# Altium PCB LED fix910 RD 2000278 (4F00223A_7P00493A).PcbDoc (part 1 of 3)
Units mm, origin at the board's own origin, x right, y up, seen from the top; angles counter-clockwise.
Board outline 400 x 514 mm, 2 copper layers (Top Layer, Bottom Layer); 391 components, 180 nets, 1316 pads, 0 vias.
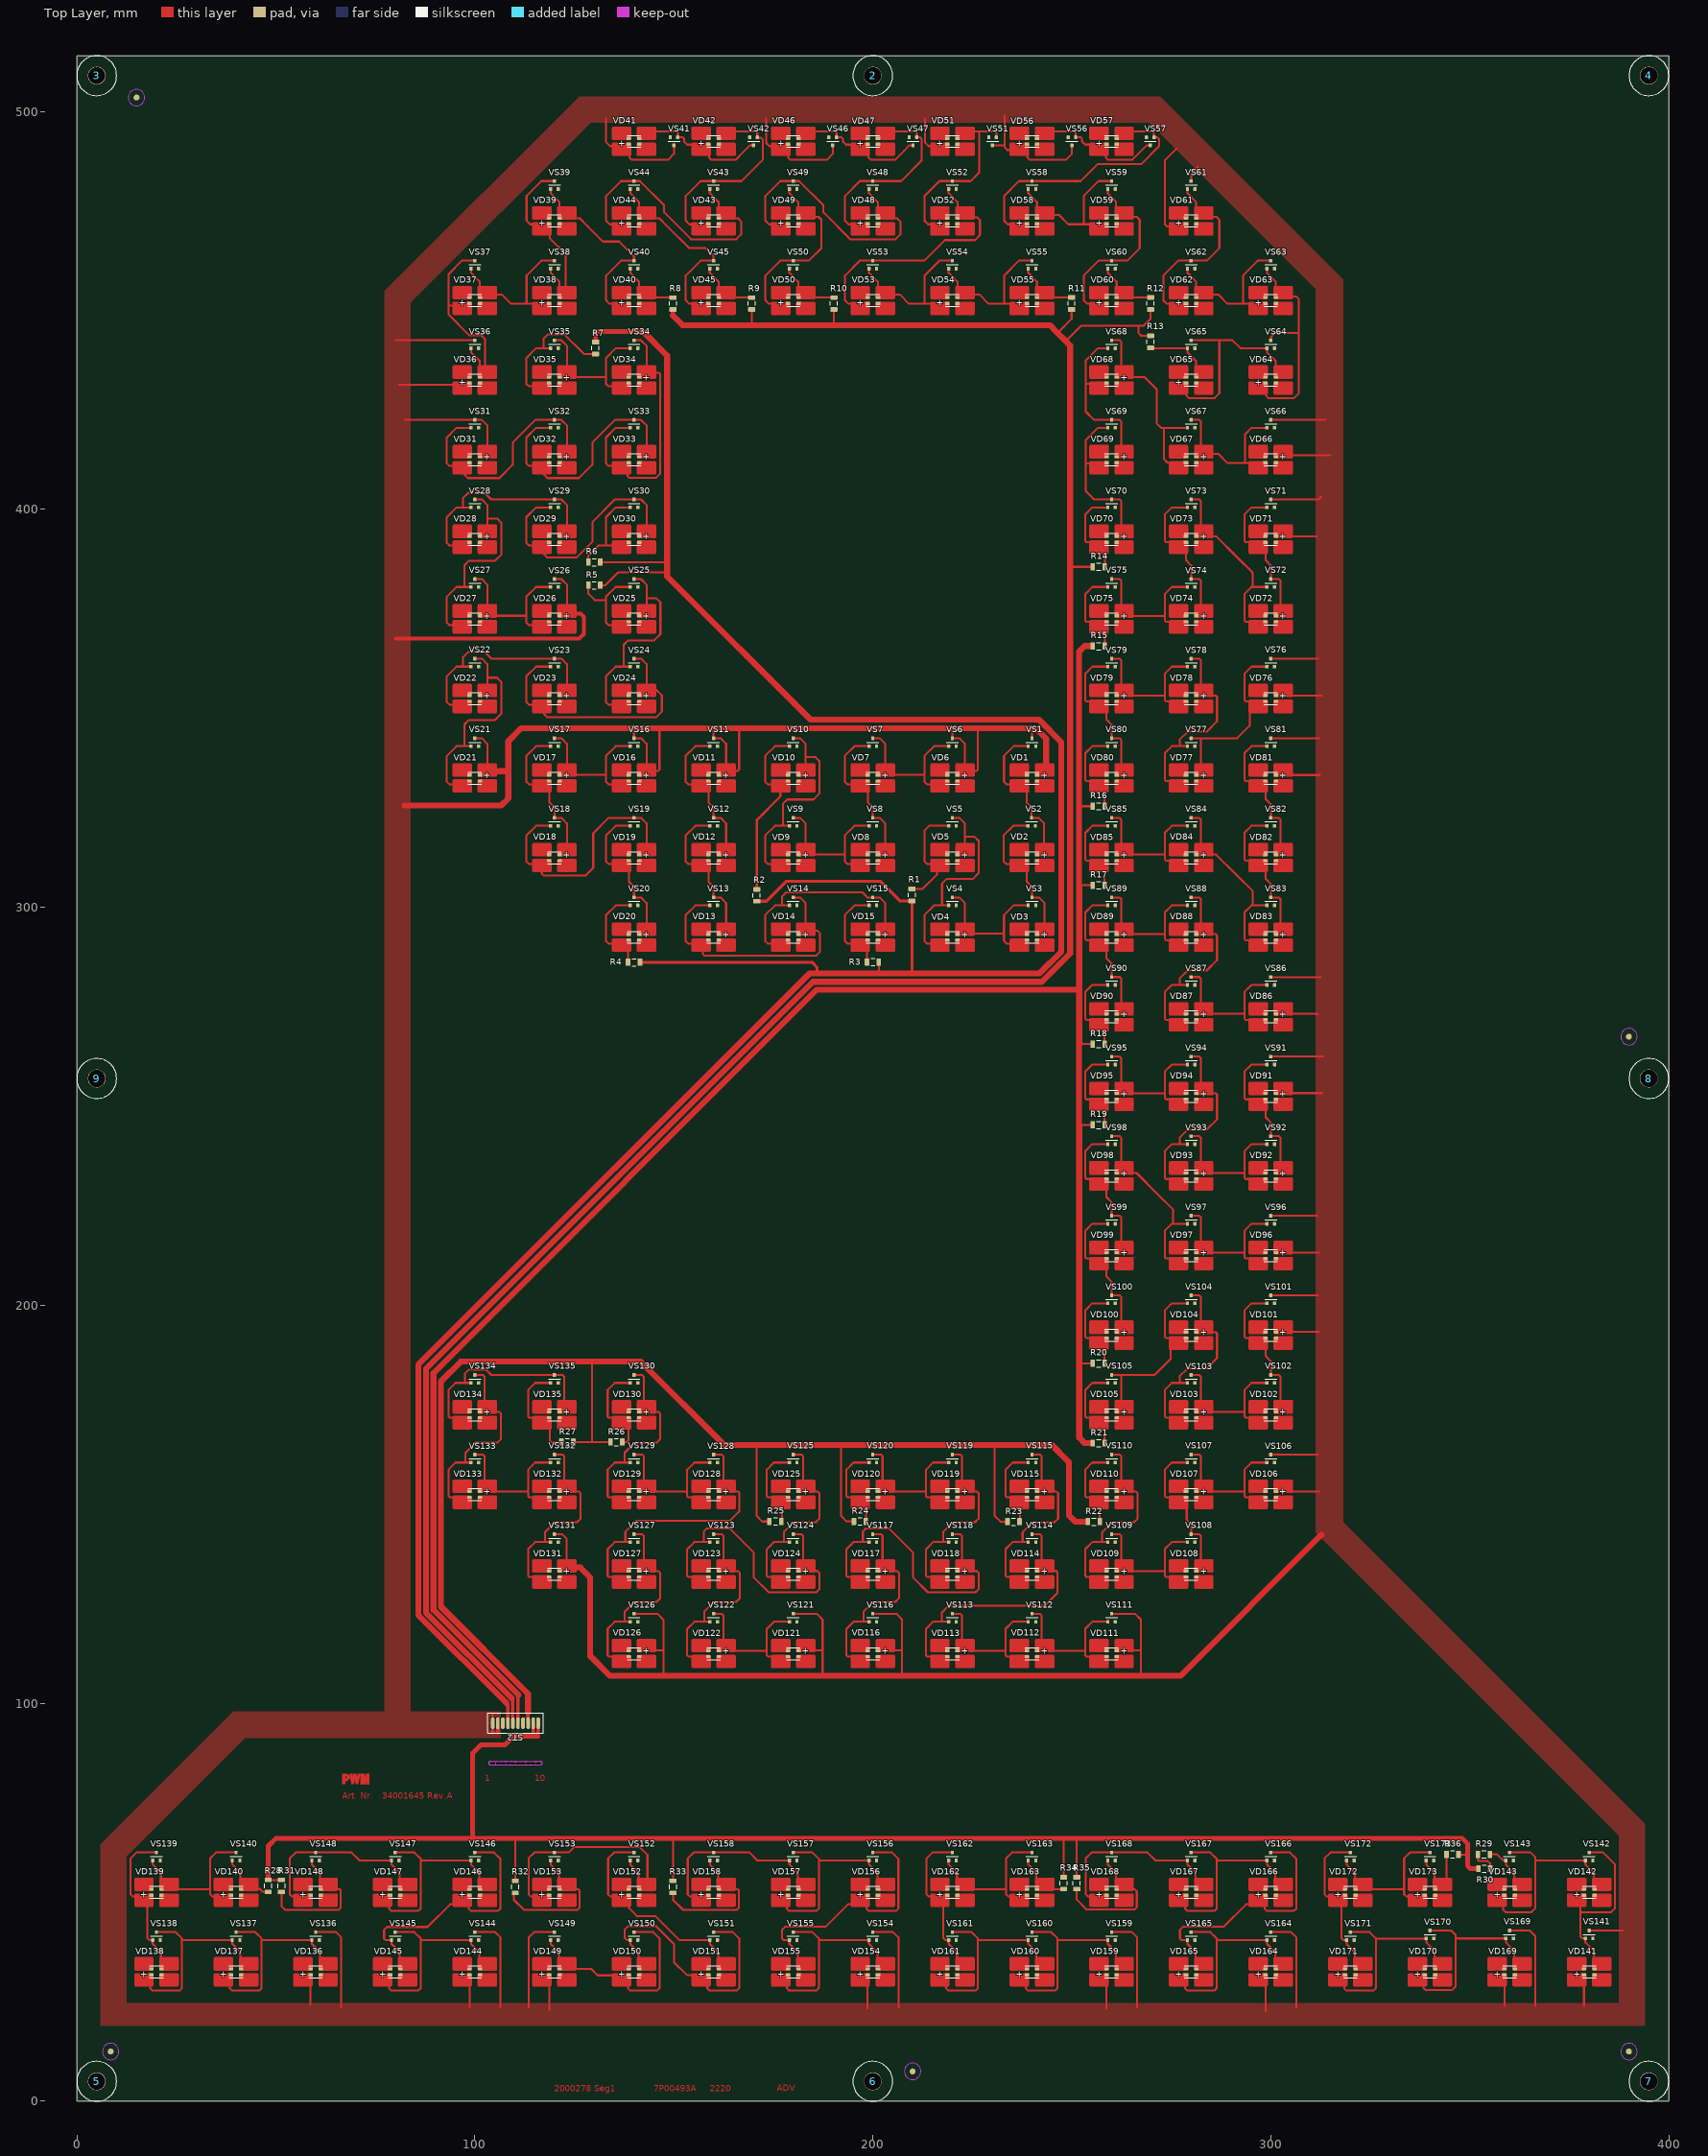
[diagram p0: Top Layer view]
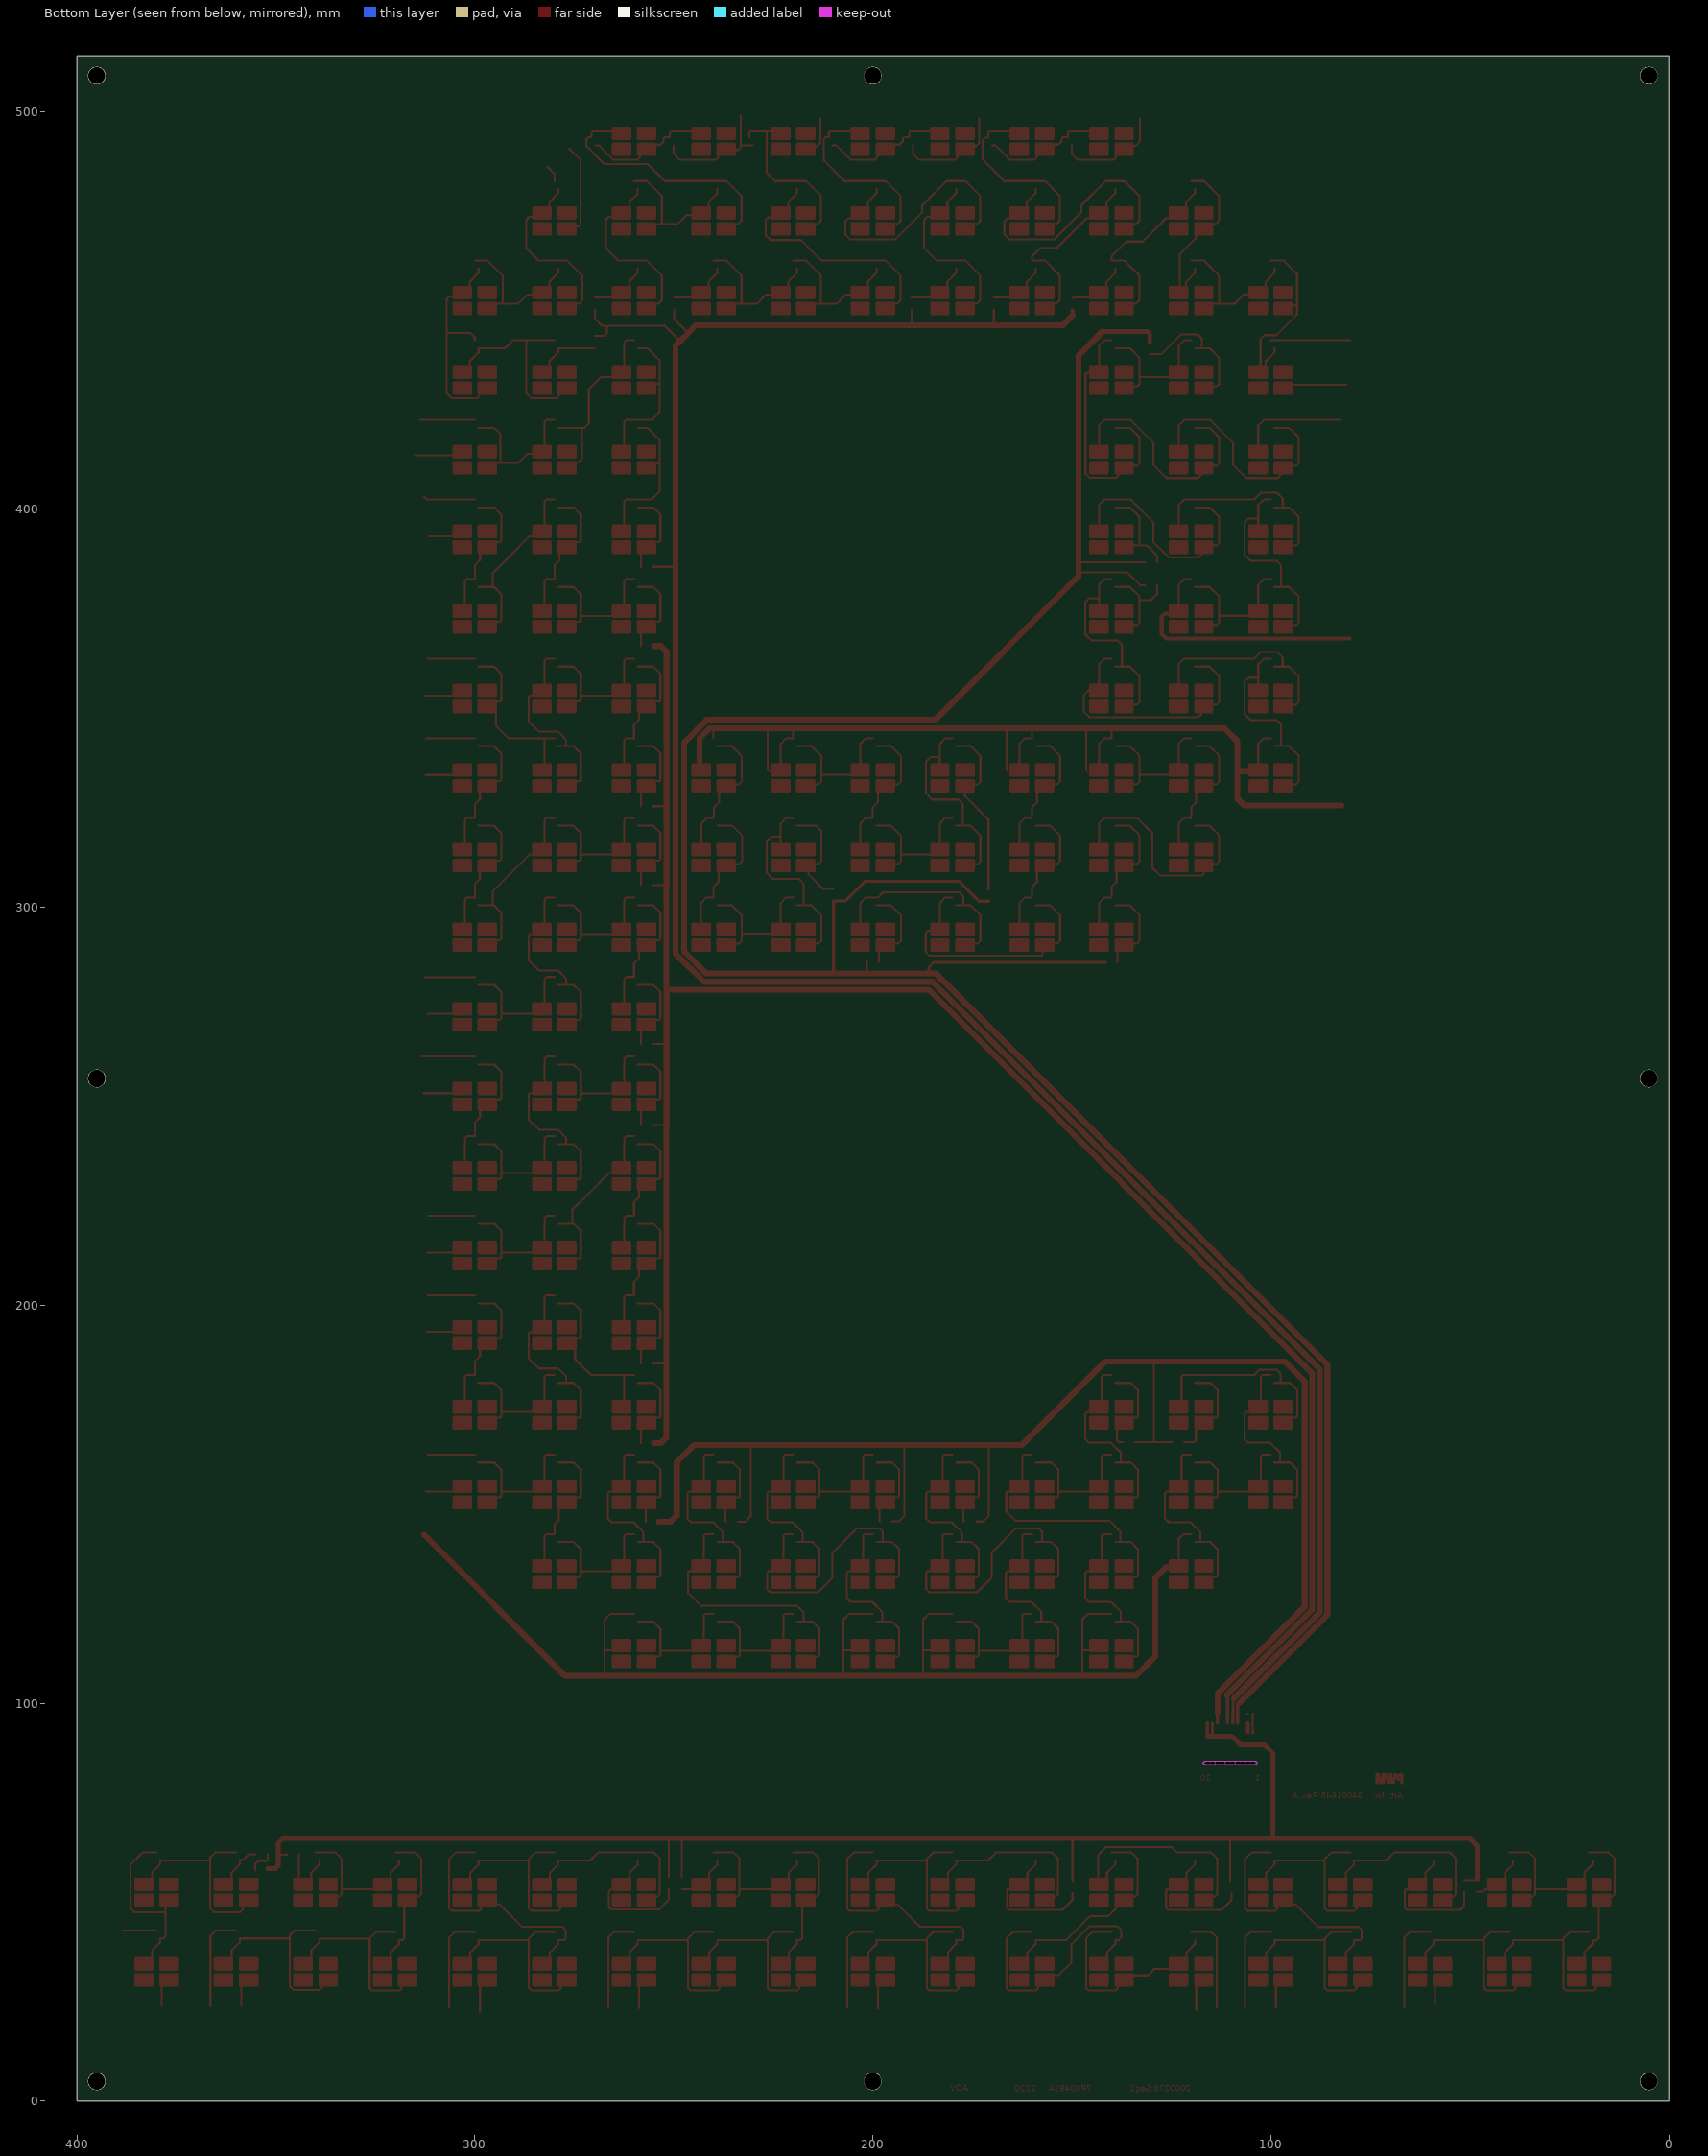
[diagram p1: Bottom Layer view, seen from below]
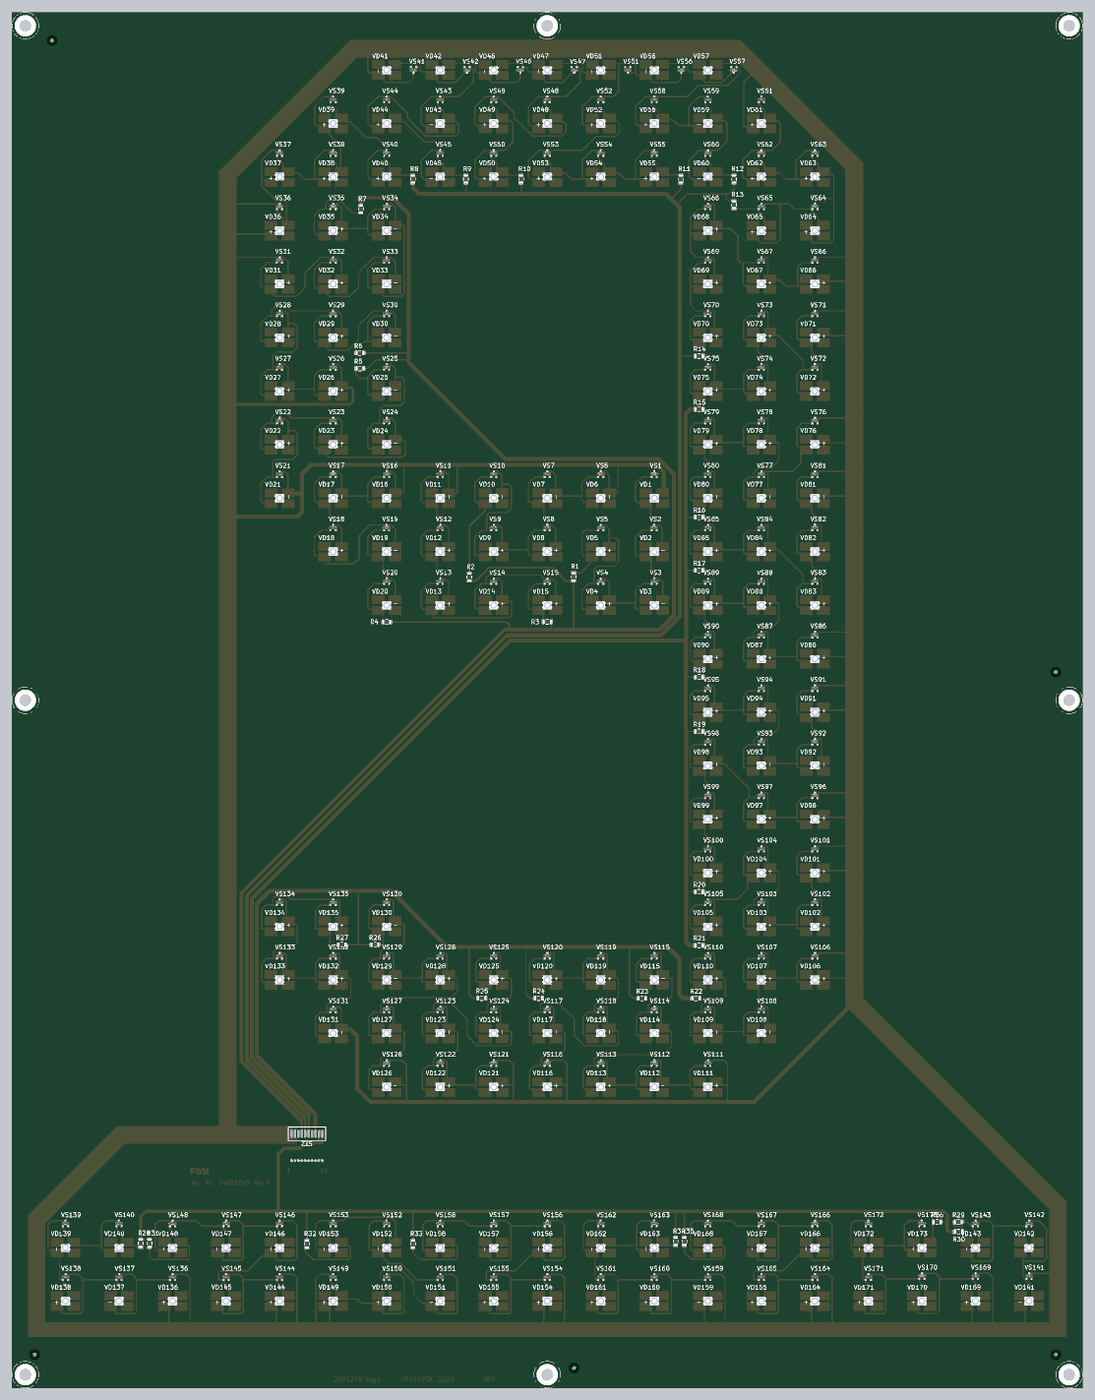
[diagram p4: 3D render of the assembled board from above, using the file's embedded part models]

## Layer stack, top to bottom
Top Solder: solder mask 0.0102, Solder Resist, Dk 3.5
Top Layer: signal copper 0.0356
Dielectric 1: dielectric 0.32, FR-4, Dk 4.8
Bottom Layer: signal copper 0.0356
Bottom Solder: solder mask 0.0102, Solder Resist, Dk 3.5

## Board outline
0,0 400,0 400,514 0,514

## Design rules (kind name [scope] priority, off if disabled: settings)
Clearance [All] p1: gap=0.3 ignorepadtopadclearanceinfootprint=FALSE
HoleSize [All] p1: absolutevalues=TRUE maxlimit=5 minlimit=0.025 maxpercent=80.000 minpercent=20.000
PlaneConnect [All] p1: planeconnectstyle=Relief reliefexpansion=0.508 reliefentries=4 reliefconductorwidth=0.5 reliefairgap=0.254
PolygonConnect PolygonConnect_1 [IsPolygon And InNet('ULED') And OnLayer('Top Layer') vs IsPad] p1: connectstyle=Relief reliefconductorwidth=0.75 reliefentries=4 polygonreliefangle="90 Angle" airgapwidth=0.254
PolygonConnect [All] p2: connectstyle=Relief reliefconductorwidth=0.254 reliefentries=4 polygonreliefangle="90 Angle" airgapwidth=0.254
RoutingVias [All] p1: holewidth=5 width=1.27 viastyle="Through Hole" minholewidth=0.1 minwidth=0.1 maxholewidth=10 maxwidth=10
SolderMaskExpansion [All] p1: expansion=0.102 istentingtop=FALSE
Width [All] p1: maxlimit=20 minlimit=0.1 preferedwidth=0.254
28 further rules are at their usual default settings.

## Classes and differential pairs
component class "LED fix910 RD 2000278 (4F00223A_7P00493A)_2": R22 R23 R24 R25 R26 R27 R28 R29 R30 R31 R32 R33 R34 R35 R36 VD106 VD107 VD108 VD109 VD110 VD111 VD112 VD113 VD114 VD115 VD116 VD117 VD118 VD119 VD120 VD121 VD122 VD123 VD124 VD125 VD126 VD127 VD128 VD129 VD130 VD131 VD132 VD133 VD134 VD135 VD136 VD137 VD138 VD139 VD140 VD141 VD142 VD143 VD144 VD145 VD146 VD147 VD148 VD149 VD150 VD151 VD152 VD153 VD154 VD155 VD156 VD157 VD158 VD159 VD160 VD161 VD162 VD163 VD164 VD165 VD166 VD167 VD168 VD169 VD170 VD171 VD172 VD173 VS106 VS107 VS108 VS109 VS110 VS111 VS112 VS113 VS114 VS115 VS116 VS117 VS118 VS119 VS120 VS121 VS122 VS123 VS124 VS125 VS126 VS127 VS128 VS129 VS130 VS131 VS132 VS133 VS134 VS135 VS136 VS137 VS138 VS139 VS140 VS141 VS142 VS143 VS144 VS145 VS146 VS147 VS148 VS149 VS150 VS151 VS152 VS153 VS154 VS155 VS156 VS157 VS158 VS159 VS160 VS161 VS162 VS163 VS164 VS165 VS166 VS167 VS168 VS169 VS170 VS171 VS172 VS173
component class "LED fix910 RD 2000278 (4F00223A_7P00493A)_1": R1 R2 R3 R4 R5 R6 R7 R8 R9 R10 R11 R12 R13 R14 R15 R16 R17 R18 R19 R20 R21 ST2 VD1 VD2 VD3 VD4 VD5 VD6 VD7 VD8 VD9 VD10 VD11 VD12 VD13 VD14 VD15 VD16 VD17 VD18 VD19 VD20 VD21 VD22 VD23 VD24 VD25 VD26 VD27 VD28 VD29 VD30 VD31 VD32 VD33 VD34 VD35 VD36 VD37 VD38 VD39 VD40 VD41 VD42 VD43 VD44 VD45 VD46 VD47 VD48 VD49 VD50 VD51 VD52 VD53 VD54 VD55 VD56 VD57 VD58 VD59 VD60 VD61 VD62 VD63 VD64 VD65 VD66 VD67 VD68 VD69 VD70 VD71 VD72 VD73 VD74 VD75 VD76 VD77 VD78 VD79 VD80 VD81 VD82 VD83 VD84 VD85 VD86 VD87 VD88 VD89 VD90 VD91 VD92 VD93 VD94 VD95 VD96 VD97 VD98 VD99 VD100 VD101 VD102 VD103 VD104 VD105 VS1 VS2 VS3 VS4 VS5 VS6 VS7 VS8 VS9 VS10 VS11 VS12 VS13 VS14 VS15 VS16 VS17 VS18 VS19 VS20 VS21 VS22 VS23 VS24 VS25 VS26 VS27 VS28 VS29 VS30 VS31 VS32 VS33 VS34 VS35 VS36 VS37 VS38 VS39 VS40 VS41 VS42 VS43 VS44 VS45 VS46 VS47 VS48 VS49 VS50 VS51 VS52 VS53 VS54 VS55 VS56 VS57 VS58 VS59 VS60 VS61 VS62 VS63 VS64 VS65 VS66 VS67 VS68 VS69 VS70 VS71 VS72 VS73 VS74 VS75 VS76 VS77 VS78 VS79 VS80 VS81 VS82 VS83 VS84 VS85 VS86 VS87 VS88 VS89 VS90 VS91 VS92 VS93 VS94 VS95 VS96 VS97 VS98 VS99 VS100 VS101 VS102 VS103 VS104 VS105

## Components (designator, comment, footprint, x,y, rotation, side; value= is the part's Value field where it differs from the comment)
2 "" DRILL4.3 200,509 r0 top
3 "" DRILL4.3 5,509 r0 top
4 "" DRILL4.3 395,509 r0 top
5 "" DRILL4.3 5,5 r0 top
6 "" DRILL4.3 200,5 r0 top
7 "" DRILL4.3 395,5 r0 top
8 "" DRILL4.3 395,257 r0 top
9 "" DRILL4.3 5,257 r0 top
R1 "R1206S" RC1206S 209.857,303.126 r270 top value=Pos.20
R2 "R1206S" RC1206S 170.855,303.02 r270 top value=Pos.20
R3 "R1206S" RC1206S 200,286.285 r0 top value=Pos.20
R4 "R1206S" RC1206S 140,286.22 r0 top value=Pos.20
R5 "R1206S" RC1206S 130.025,380.95 r0 top value=Pos.20
R6 "R1206S" RC1206S 130.025,386.75 r0 top value=Pos.20
R7 "R1206S" RC1206S 130.35,440.55 r90 top value=Pos.20
R8 "R1206S" RC1206S 149.8,451.725 r270 top value=Pos.20
R9 "R1206S" RC1206S 169.584,451.725 r270 top value=Pos.20
R10 "R1206S" RC1206S 190.219,451.725 r270 top value=Pos.20
R11 "R1206S" RC1206S 249.95,451.75 r270 top value=Pos.20
R12 "R1206S" RC1206S 269.786,451.75 r270 top value=Pos.20
R13 "R1206S" RC1206S 269.786,442.125 r90 top value=Pos.20
R14 "R1206S" RC1206S 256.775,385.575 r180 top value=Pos.20
R15 "R1206S" RC1206S 256.775,365.667 r180 top value=Pos.20
R16 "R1206S" RC1206S 256.75,325.412 r180 top value=Pos.20
R17 "R1206S" RC1206S 256.75,305.532 r180 top value=Pos.20
R18 "R1206S" RC1206S 256.75,265.648 r180 top value=Pos.20
R19 "R1206S" RC1206S 256.75,245.352 r180 top value=Pos.20
R20 "R1206S" RC1206S 256.75,185.434 r180 top value=Pos.20
R21 "R1206S" RC1206S 256.75,165.377 r180 top value=Pos.20
R22 "R1206S" RC1206S 255.55,145.625 r180 top value=Pos.20
R23 "R1206S" RC1206S 235.375,145.625 r180 top value=Pos.20
R24 "R1206S" RC1206S 196.75,145.679 r180 top value=Pos.20
R25 "R1206S" RC1206S 175.525,145.675 r180 top value=Pos.20
R26 "R1206S" RC1206S 135.575,165.65 r180 top value=Pos.20
R27 "R1206S" RC1206S 123.25,165.65 r0 top value=Pos.20
R28 "R1206S" RC1206S 48.079,54.1 r90 top value=Pos.20
R29 "R1206S" RC1206S 353.55,62.025 r180 top value=Pos.21
R30 "R1206S" RC1206S 353.65,58.45 r180 top value=Pos.20
R31 "R1206S" RC1206S 51.425,54.1 r90 top value=Pos.20
R32 "R1206S" RC1206S 110.163,53.85 r90 top value=Pos.20
R33 "R1206S" RC1206S 149.81,53.85 r90 top value=Pos.20
R34 "R1206S" RC1206S 247.957,54.8 r90 top value=Pos.20
R35 "R1206S" RC1206S 251.25,54.8 r90 top value=Pos.20
R36 "R1206S" RC1206S 345.655,62.025 r0 top value=Pos.20
ST2 "BAND10_M" BAND10_M 104.5,95 r180 top (schematic designator ST1)
VD1 "LED, LS E65F-BBDA-1-Z, Red, OSRAM Opto Semiconductors Inc." E65F 240,332.5 r0 top value="LS E65F-BBDA-1-Z"
VD2 "LED, LS E65F-BBDA-1-Z, Red, OSRAM Opto Semiconductors Inc." E65F 240,312.5 r0 top value="LS E65F-BBDA-1-Z"
VD3 "LED, LS E65F-BBDA-1-Z, Red, OSRAM Opto Semiconductors Inc." E65F 240,292.5 r0 top value="LS E65F-BBDA-1-Z"
VD4 "LED, LS E65F-BBDA-1-Z, Red, OSRAM Opto Semiconductors Inc." E65F 220,292.5 r0 top value="LS E65F-BBDA-1-Z"
VD5 "LED, LS E65F-BBDA-1-Z, Red, OSRAM Opto Semiconductors Inc." E65F 220,312.5 r0 top value="LS E65F-BBDA-1-Z"
VD6 "LED, LS E65F-BBDA-1-Z, Red, OSRAM Opto Semiconductors Inc." E65F 220,332.5 r0 top value="LS E65F-BBDA-1-Z"
VD7 "LED, LS E65F-BBDA-1-Z, Red, OSRAM Opto Semiconductors Inc." E65F 200,332.5 r0 top value="LS E65F-BBDA-1-Z"
VD8 "LED, LS E65F-BBDA-1-Z, Red, OSRAM Opto Semiconductors Inc." E65F 200,312.5 r0 top value="LS E65F-BBDA-1-Z"
VD9 "LED, LS E65F-BBDA-1-Z, Red, OSRAM Opto Semiconductors Inc." E65F 180,312.5 r0 top value="LS E65F-BBDA-1-Z"
VD10 "LED, LS E65F-BBDA-1-Z, Red, OSRAM Opto Semiconductors Inc." E65F 180,332.5 r0 top value="LS E65F-BBDA-1-Z"
VD11 "LED, LS E65F-BBDA-1-Z, Red, OSRAM Opto Semiconductors Inc." E65F 160,332.5 r0 top value="LS E65F-BBDA-1-Z"
VD12 "LED, LS E65F-BBDA-1-Z, Red, OSRAM Opto Semiconductors Inc." E65F 160,312.5 r0 top value="LS E65F-BBDA-1-Z"
VD13 "LED, LS E65F-BBDA-1-Z, Red, OSRAM Opto Semiconductors Inc." E65F 160,292.5 r0 top value="LS E65F-BBDA-1-Z"
VD14 "LED, LS E65F-BBDA-1-Z, Red, OSRAM Opto Semiconductors Inc." E65F 180,292.5 r0 top value="LS E65F-BBDA-1-Z"
VD15 "LED, LS E65F-BBDA-1-Z, Red, OSRAM Opto Semiconductors Inc." E65F 200,292.5 r0 top value="LS E65F-BBDA-1-Z"
VD16 "LED, LS E65F-BBDA-1-Z, Red, OSRAM Opto Semiconductors Inc." E65F 140,332.5 r0 top value="LS E65F-BBDA-1-Z"
VD17 "LED, LS E65F-BBDA-1-Z, Red, OSRAM Opto Semiconductors Inc." E65F 120,332.5 r0 top value="LS E65F-BBDA-1-Z"
VD18 "LED, LS E65F-BBDA-1-Z, Red, OSRAM Opto Semiconductors Inc." E65F 120,312.5 r0 top value="LS E65F-BBDA-1-Z"
VD19 "LED, LS E65F-BBDA-1-Z, Red, OSRAM Opto Semiconductors Inc." E65F 140,312.5 r0 top value="LS E65F-BBDA-1-Z"
VD20 "LED, LS E65F-BBDA-1-Z, Red, OSRAM Opto Semiconductors Inc." E65F 140,292.5 r0 top value="LS E65F-BBDA-1-Z"
VD21 "LED, LS E65F-BBDA-1-Z, Red, OSRAM Opto Semiconductors Inc." E65F 100,332.5 r0 top value="LS E65F-BBDA-1-Z"
VD22 "LED, LS E65F-BBDA-1-Z, Red, OSRAM Opto Semiconductors Inc." E65F 100,352.5 r0 top value="LS E65F-BBDA-1-Z"
VD23 "LED, LS E65F-BBDA-1-Z, Red, OSRAM Opto Semiconductors Inc." E65F 120,352.5 r0 top value="LS E65F-BBDA-1-Z"
VD24 "LED, LS E65F-BBDA-1-Z, Red, OSRAM Opto Semiconductors Inc." E65F 140,352.5 r0 top value="LS E65F-BBDA-1-Z"
VD25 "LED, LS E65F-BBDA-1-Z, Red, OSRAM Opto Semiconductors Inc." E65F 140,372.5 r0 top value="LS E65F-BBDA-1-Z"
VD26 "LED, LS E65F-BBDA-1-Z, Red, OSRAM Opto Semiconductors Inc." E65F 120,372.5 r0 top value="LS E65F-BBDA-1-Z"
VD27 "LED, LS E65F-BBDA-1-Z, Red, OSRAM Opto Semiconductors Inc." E65F 100,372.5 r0 top value="LS E65F-BBDA-1-Z"
VD28 "LED, LS E65F-BBDA-1-Z, Red, OSRAM Opto Semiconductors Inc." E65F 100,392.5 r0 top value="LS E65F-BBDA-1-Z"
VD29 "LED, LS E65F-BBDA-1-Z, Red, OSRAM Opto Semiconductors Inc." E65F 120,392.5 r0 top value="LS E65F-BBDA-1-Z"
VD30 "LED, LS E65F-BBDA-1-Z, Red, OSRAM Opto Semiconductors Inc." E65F 140,392.5 r0 top value="LS E65F-BBDA-1-Z"
VD31 "LED, LS E65F-BBDA-1-Z, Red, OSRAM Opto Semiconductors Inc." E65F 100,412.5 r0 top value="LS E65F-BBDA-1-Z"
VD32 "LED, LS E65F-BBDA-1-Z, Red, OSRAM Opto Semiconductors Inc." E65F 120,412.5 r0 top value="LS E65F-BBDA-1-Z"
VD33 "LED, LS E65F-BBDA-1-Z, Red, OSRAM Opto Semiconductors Inc." E65F 140,412.5 r0 top value="LS E65F-BBDA-1-Z"
VD34 "LED, LS E65F-BBDA-1-Z, Red, OSRAM Opto Semiconductors Inc." E65F 140,432.5 r0 top value="LS E65F-BBDA-1-Z"
VD35 "LED, LS E65F-BBDA-1-Z, Red, OSRAM Opto Semiconductors Inc." E65F 120,432.5 r0 top value="LS E65F-BBDA-1-Z"